# KiCad board FC_V5a_Rev1.kicad_pcb
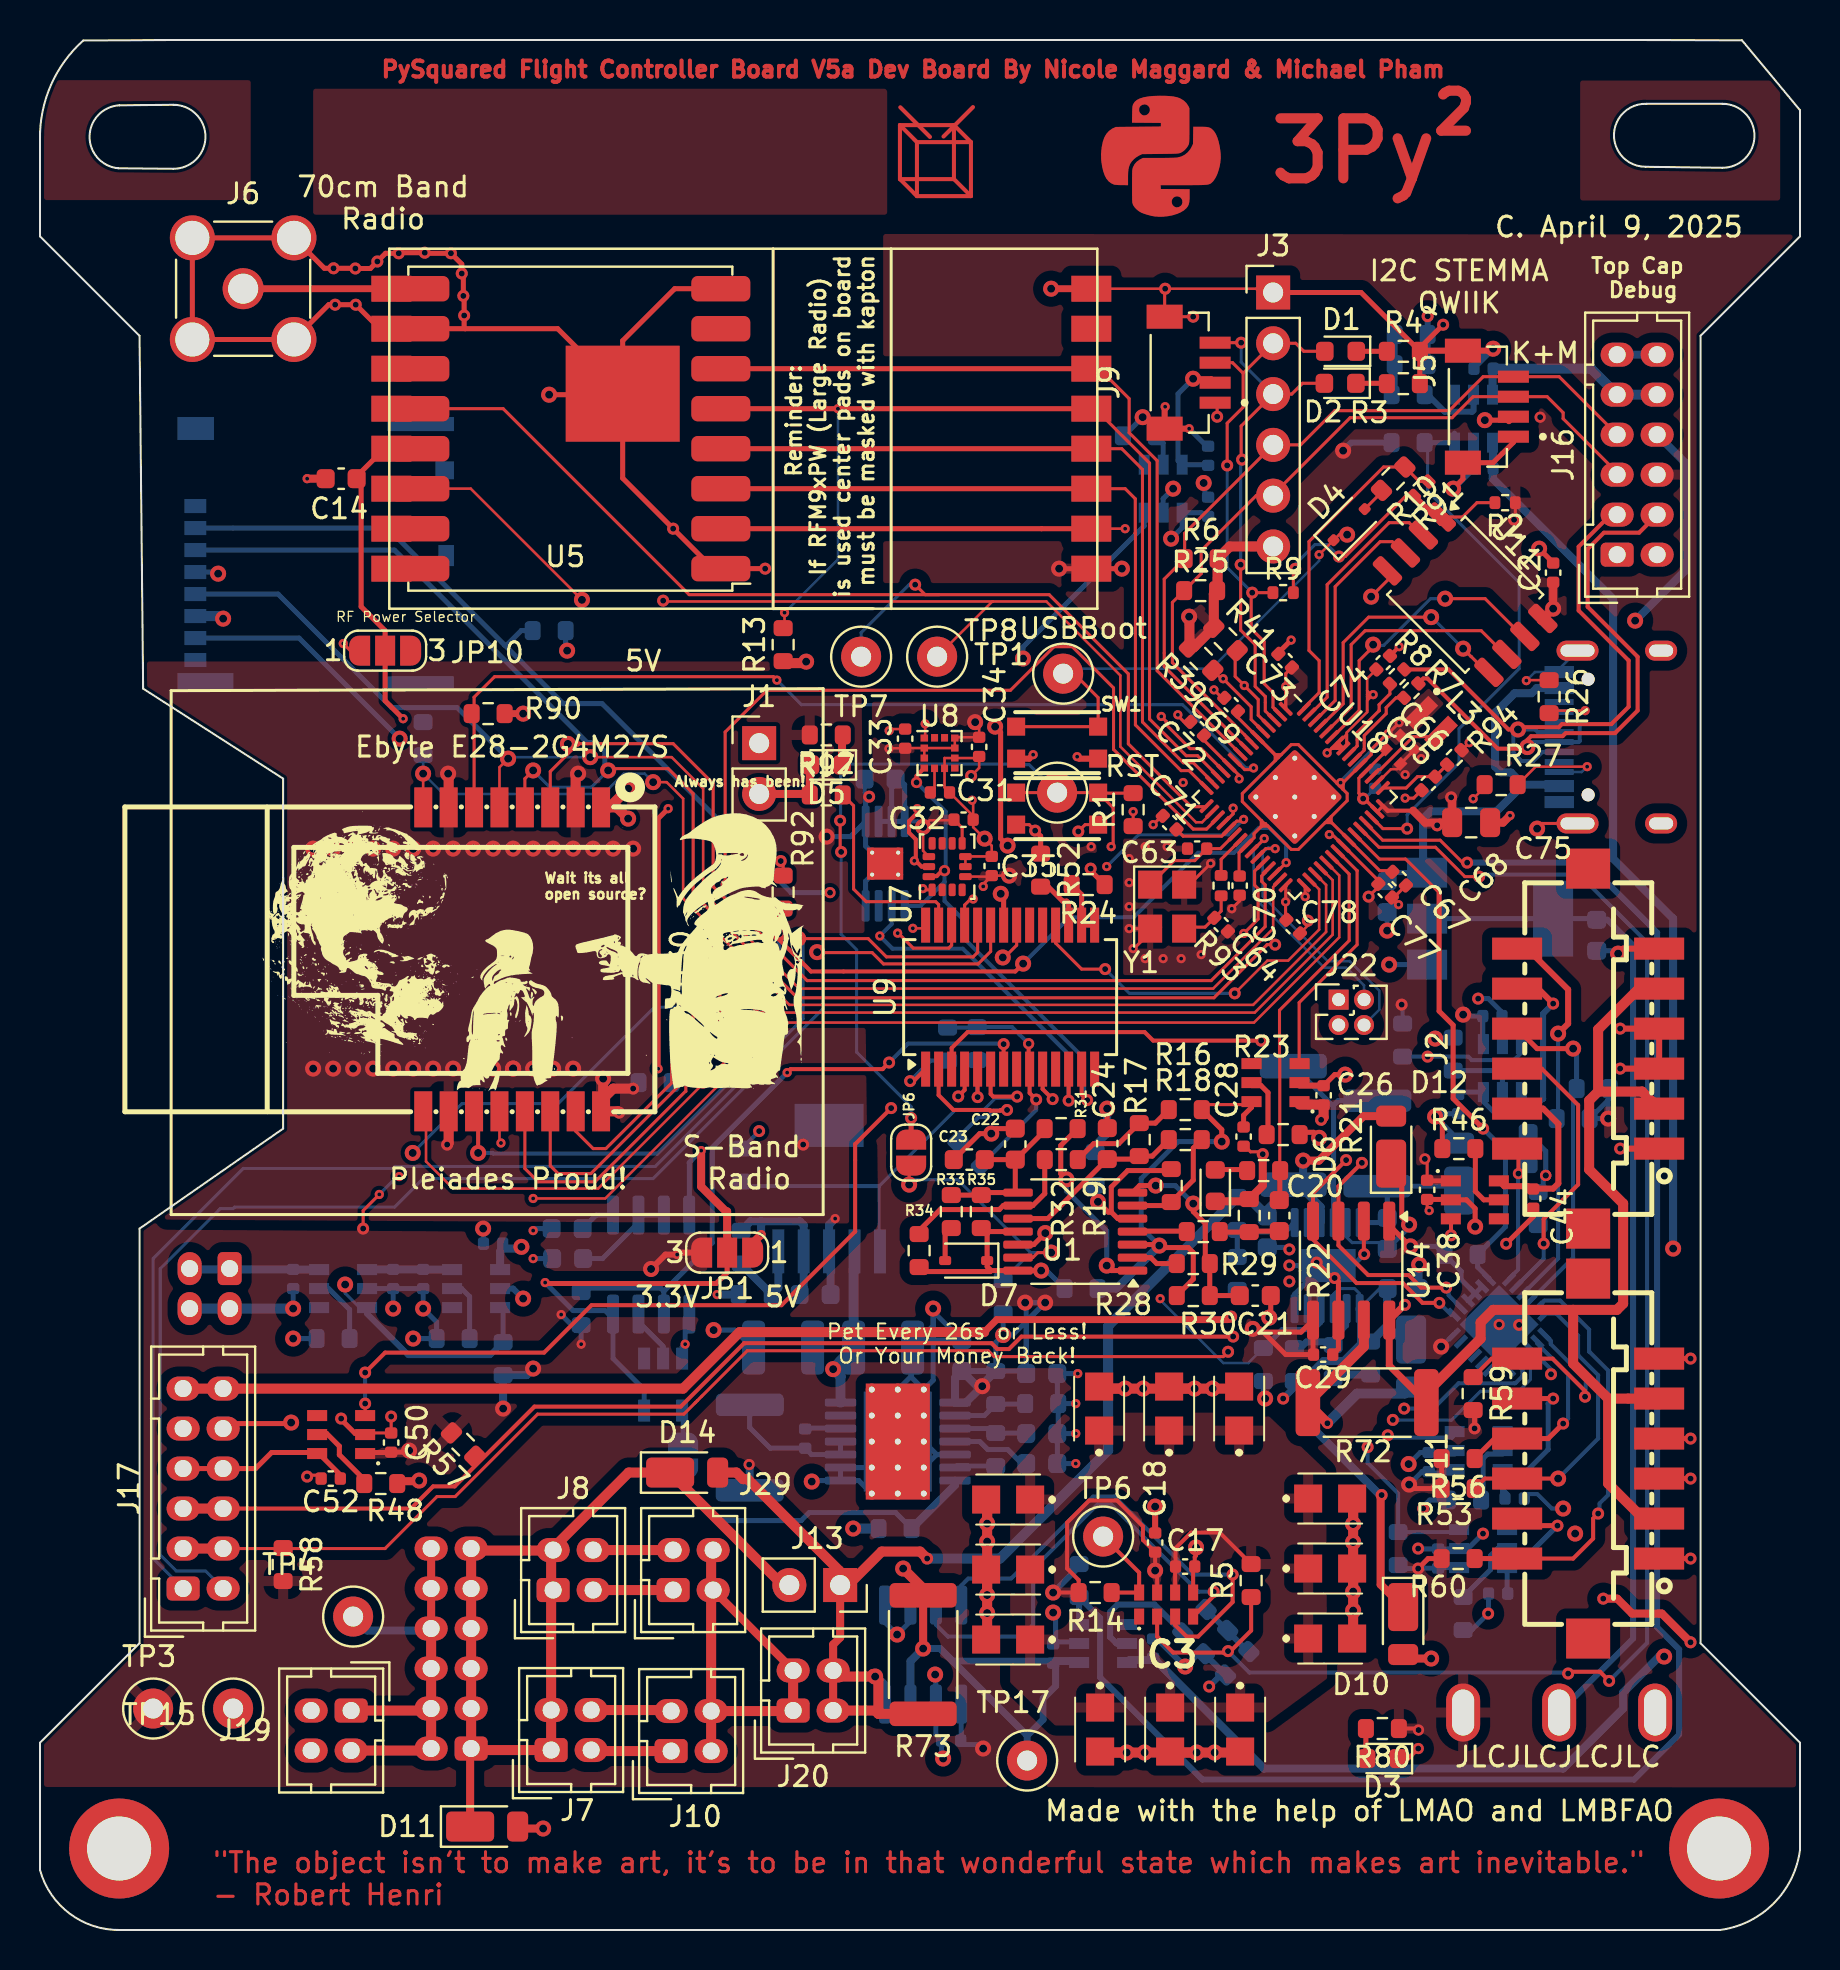
[diagram p0: board, top side]
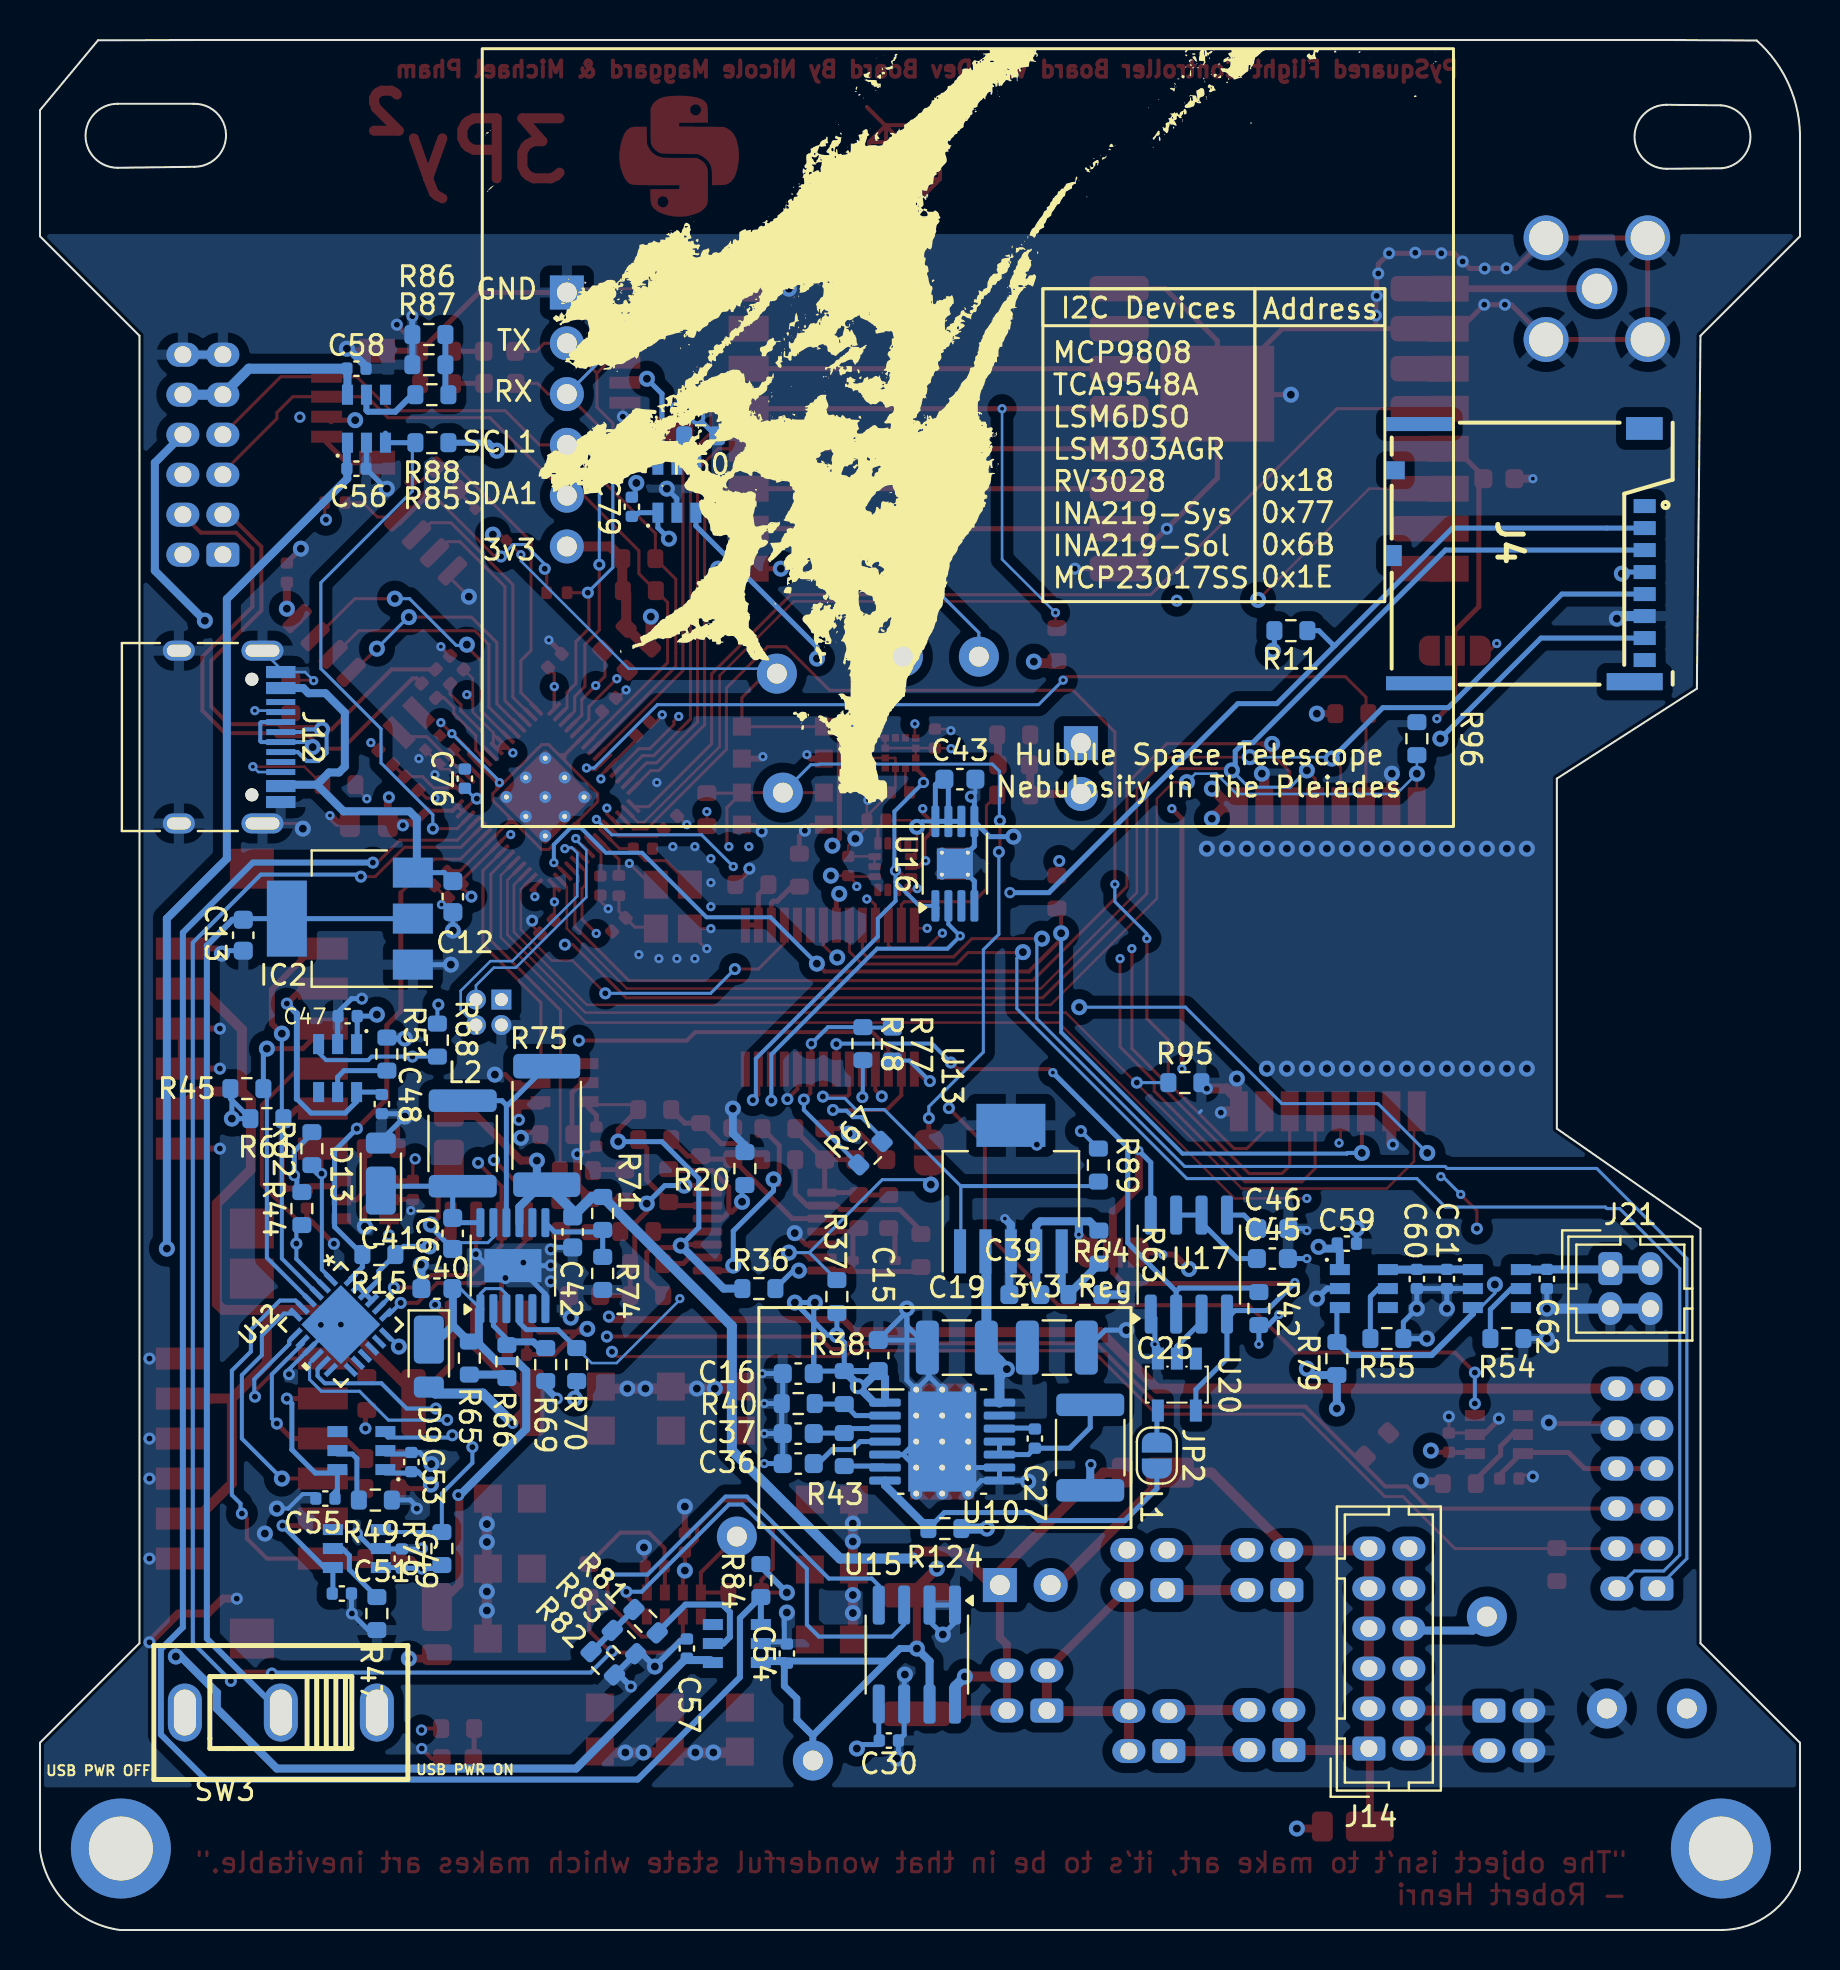
[diagram p1: board, bottom side, seen from below]

Outline 88 x 94.51 mm; copper layers: Top, In1.Cu, In2.Cu, Bottom. Coordinates in mm from the lower left corner of the outline.
Outline path: 0,89.5 arc(0.53,92.23) 2.16,94.49 6.63,94.51 79.66,94.51 85.1,94.5 88,91 88,84.69 83.03,79.72 83.03,14.34 88,9.36 88,4 arc(86.68,1.32) 84,0 4,0 arc(1.49,0.82) 0,3 0,9.36 4.98,14.34 4.98,35.07 12.16,40.07 12.16,57.57 5.16,62.07 4.98,79.72 0,84.69 0,89.5 ; 3.92,88.1 arc(2.48,89.69) 3.97,91.24 6.67,91.27 arc(8.27,89.67) 6.67,88.07 3.92,88.1 ; 80.27,88.17 arc(78.7,89.77) 80.32,91.32 84.12,91.32 arc(85.72,89.72) 84.12,88.12 80.27,88.17
Stack: Top 0.035mm / dielectric 0.2104mm FR4 er 4.5 / In1.Cu 0.0152mm / dielectric 1.065mm FR4 er 4.5 / In2.Cu 0.035mm / dielectric 0.2104mm FR4 er 4.5 / Bottom 0.035mm

## Placement (name value [footprint] x y rotation side)
C2  100n  [C_0402_1005Metric]  75.66 67.87 90 top
C12  10uF  [C_0603_1608Metric]  67.36 51.67 270 bottom
C13  22uF  [C_0603_1608Metric]  77.84 49.74 270 bottom
C14  10uF  [C_0603_1608Metric]  15.06 72.57 0 top
C15  22uF  [C_0603_1608Metric]  46.09 28.72 270 bottom
C16  22uF  [C_0603_1608Metric]  50.09 27.82 180 bottom
C17  100nf  [C_0402_1005Metric]  57.26 18.17 0 top
C18  100nf  [C_0402_1005Metric]  55.76 19.37 90 top
C19  100uF  [C_1210_3225Metric]  42.16 29.12 0 bottom
C20  10uF  [C_0603_1608Metric]  61.96 35.72 270 top
C21  10uF  [C_0603_1608Metric]  60.76 31.72 180 top
C22  10uF  [C_0603_1608Metric]  48.76 39.3 270 top
C23  10uF  [C_0603_1608Metric]  46.46 38.52 0 top
C24  10uF  [C_0603_1608Metric]  53.36 39.32 270 top
C25  100uF  [C_1210_3225Metric]  37.16 29.12 180 bottom
C26  100nf  [C_0402_1005Metric]  64.18 41.74 90 top
C27  100nf  [C_0402_1005Metric]  38.26 24.57 90 bottom
C28  100nf  [C_0402_1005Metric]  60.18 39.67 270 top
C29  100nf  [C_0402_1005Metric]  64.16 28.77 180 top
C30  100nf  [C_0402_1005Metric]  45.56 9.47 0 bottom
C31  220nf  [C_0402_1005Metric]  45 56.88 0 top
C32  100nf  [C_0402_1005Metric]  46.18 55.52 0 top
C33  100nf  [C_0402_1005Metric]  43.26 59.57 90 top
C34  100nf  [C_0402_1005Metric]  46.96 59.16 270 top
C35  100nf  [C_0402_1005Metric]  47.59 53.2 90 top
C36  3.3nF  [C_0603_1608Metric]  50.09 23.32 0 bottom
C37  1uF  [C_0603_1608Metric]  50.09 24.82 0 bottom
C38  100nf  [C_0402_1005Metric]  69.36 37.01 270 top
C39  10uF  [C_0603_1608Metric]  38.76 31.77 180 bottom
C40  10uF  [C_0603_1608Metric]  68.16 32.07 0 bottom
C41  1uF  [C_0603_1608Metric]  67.37 34.83 270 bottom
C42  10uF  [C_0603_1608Metric]  61.37 34.91 270 bottom
C43  1uF  [C_0603_1608Metric]  42.01 57.55 180 bottom
C44  100nf  [C_0402_1005Metric]  74.66 36.57 270 top
C45  1uF  [C_0603_1608Metric]  26.38 33.57 180 bottom
C46  10nF  [C_0603_1608Metric]  26.36 35.07 180 bottom
C47  100nf  [C_0402_1005Metric]  72.62 45.7 0 bottom
C48  100nf  [C_0402_1005Metric]  70.91 41.3 270 bottom
C49  100nf  [C_0402_1005Metric]  69.91 18.57 90 bottom
C50  100nf  [C_0402_1005Metric]  17.56 24.37 90 top
C51  100nf  [C_0402_1005Metric]  72.91 16.82 180 bottom
C52  100nf  [C_0402_1005Metric]  14.54 22.57 180 top
C53  100nf  [C_0402_1005Metric]  69.43 23.4 90 bottom
C54  100nf  [C_0402_1005Metric]  50.66 13.82 90 bottom
C55  100nf  [C_0402_1005Metric]  73.73 21.57 0 bottom
C56  100nf  [C_0402_1005Metric]  72.18 73.07 180 bottom
C57  100nf  [C_0402_1005Metric]  55.66 14.07 90 bottom
C58  100nf  [C_0402_1005Metric]  72.18 78.07 180 bottom
C59  100nf  [C_0402_1005Metric]  22.66 34.32 180 bottom
C60  100nf  [C_0402_1005Metric]  19.16 32.55 270 bottom
C61  100nf  [C_0402_1005Metric]  17.66 32.55 270 bottom
C62  100nf  [C_0402_1005Metric]  12.66 32.55 270 bottom
C63  15p  [C_0402_1005Metric]  57.86 54.07 180 top
C64  15p  [C_0402_1005Metric]  59.06 50.27 315 top
C65  4.7u  [C_0402_1005Metric_small_pads]  67.66 58.67 315 top
C66  4.7u  [C_0402_1005Metric_small_pads]  68.36 59.37 315 top
C67  100n  [C_0402_1005Metric]  67.96 52.57 315 top
C68  4.7u  [C_0402_1005Metric]  69.42 57.34 225 top
C69  4.7u  [C_0402_1005Metric]  59.56 61.27 135 top
C70  100n  [C_0402_1005Metric]  59.98 52.22 270 top
C71  100n  [C_0402_1005Metric]  56.48 55.37 135 top
C72  100n  [C_0402_1005Metric]  57.86 60.07 135 top
C73  100n  [C_0402_1005Metric]  62.26 63.47 135 top
C74  100n  [C_0402_1005Metric]  67.16 63.37 45 top
C75  10u  [C_0805_2012Metric]  71.56 55.37 0 top
C76  100n  [C_0402_1005Metric]  66.76 57.57 90 bottom
C77  100n  [C_0402_1005Metric]  67.26 51.97 315 top
C78  100n  [C_0402_1005Metric]  62.66 50.17 315 top
C79  100nf  [C_0402_1005Metric]  58.41 71.17 90 bottom
C80  100nf  [C_0402_1005Metric]  58.41 73.72 90 bottom
C1017  -  [CPH3225A]  48.71 21.82 180 top
C1018  -  [CPH3225A]  48.71 18.32 180 top
C1019  -  [CPH3225A]  48.71 14.82 180 top
C1020  -  [CPH3225A]  52.71 10.32 270 top
C1021  -  [CPH3225A]  53.26 25.77 90 top
C1022  -  [CPH3225A]  60.26 25.77 90 top
C1023  -  [CPH3225A]  59.71 10.32 270 top
C1024  -  [CPH3225A]  56.21 10.32 270 top
C1025  -  [CPH3225A]  56.76 25.77 90 top
C1026  -  [CPH3225A]  64.21 21.27 0 top
C1027  -  [CPH3225A]  64.21 17.77 0 top
C1028  -  [CPH3225A]  64.21 14.27 0 top
D1  LED  [LED_0603_1608Metric]  65.03 78.94 180 top
D2  LED  [LED_0603_1608Metric]  65.01 77.34 180 top
D3  LED  [LED_0603_1608Metric]  67.12 8.57 180 top
D4  NSR0320  [D_SOD-323F]  65.46 70.27 45 top
D5  LED  [LED_0603_1608Metric]  39.31 58.26 180 top
D6  GREEN  [LED_0603_1608Metric]  58.76 37.22 90 top
D7  1N4151WS  [D_SOD-323]  46.31 33.47 180 top
D9  DFLS130L-7  [D_PowerDI-123]  68.56 28.67 270 bottom
D10  DFLS130L-7  [D_PowerDI-123]  68.16 15.3 270 top
D11  DFLS130L-7  [D_PowerDI-123]  22.36 5.17 0 top
D12  DFLS130L  [D_PowerDI-123]  67.56 39.17 90 top
D13  DFLS130L-7  [D_PowerDI-123]  70.96 37.82 90 bottom
D14  DFLS130L  [D_PowerDI-123]  32.36 22.87 0 top
G***  -  [LOGO]  56.03 88.1 0 top
G***#2  -  [LOGO]  56.03 88.1 0 top
G***#3  -  [LOGO]  23.74 49.37 0 top
G***#4  -  [LOGO]  27.66 89.07 0 top
G***#5  -  [LOGO]  42.96 74.77 180 bottom
H1  MountingHole  [unnamed]  3.96 4.07 0 top
H2  MountingHole  [unnamed]  83.96 4.07 0 top
IC2  AZ1117CH-3.3TRG1  [SOT-223]  72.51 50.57 0 bottom
IC3  RV-3028-C7_32.768kHz_1ppm_TA_QC  [RV3028C7]  56.31 16.27 0 top
IC6  LT3652IMSE#PBF  [MSOP-12-1EP_3x4mm_P0.65mm_EP1.65x2.85mm]  64.36 33.22 90 bottom
J1  Conn_01x02  [PinHeader_1x02_P2.54mm_Vertical]  35.96 59.35 0 top
J2  DF11CZ-12DP-2V(27)  [CONN-SMD_12P-P2.00_DF11CZ-12DP]  77.41 44.07 90 top
J3  Life Makes Lemonade  [PinHeader_1x06_P2.54mm_Vertical]  61.66 81.88 0 top
J4  Molex 503398-1892  [503398-1892-1]  6.37 75.37 270 bottom
J5  BM04B-SRSS-TB(LF)(SN)  [JST_BM04B-SRSS-TB(LF)(SN)]  71.14 76.17 90 top
J6  Conn_Coaxial  [SMA_Amphenol_901-144_Vertical]  10.16 82.07 0 top
J7  INHIBIT_P1  [Hirose_DF11-4DP-2DSA_2x02_P2.00mm_Vertical]  25.56 9 90 top
J8  INHIBIT_S1  [Hirose_DF11-4DP-2DSA_2x02_P2.00mm_Vertical]  25.66 17 90 top
J9  BM04B-SRSS-TB(LF)(SN)  [JST_BM04B-SRSS-TB(LF)(SN)]  56.23 77.87 90 top
J10  INHIBIT_P2  [Hirose_DF11-4DP-2DSA_2x02_P2.00mm_Vertical]  31.56 8.95 90 top
J11  DF11CZ-12DP-2V(27)  [CONN-SMD_12P-P2.00_DF11CZ-12DP]  77.41 23.57 90 top
J12  USB_C_Receptacle_USB2.0_16P  [USB_C_Receptacle_HRO_TYPE-C-31-M-12]  80.01 59.65 270 bottom
J13  Bypass  [PinSocket_1x02_P2.54mm_Vertical]  40.01 17.25 270 top
J14  Battery Input  [Hirose_DF11-12DP-2DSA_2x06_P2.00mm_Vertical]  21.56 9.07 90 bottom
J16  DEBUG  [Hirose_DF11-12DP-2DSA_2x06_P2.00mm_Vertical]  78.86 68.77 90 top
J17  Face4 (Z- Face)  [Hirose_DF11-12DP-2DSA_2x06_P2.00mm_Vertical]  7.16 17.07 90 top
J19  ISS_INHIBIT  [Hirose_DF11-4DP-2DSA_2x02_P2.00mm_Vertical]  15.56 10.97 270 top
J20  RBF_Inhibit  [Hirose_DF11-4DP-2DSA_2x02_P2.00mm_Vertical]  37.66 10.97 90 top
J21  Heater Output  [Hirose_DF11-4DP-2DSA_2x02_P2.00mm_Vertical]  9.48 33.07 180 bottom
J22  SWD Port  [PinHeader_2x02_P1.27mm_Vertical]  64.93 46.52 0 top
J29  INHIBIT_S2  [Hirose_DF11-4DP-2DSA_2x02_P2.00mm_Vertical]  31.66 17 90 top
JP1  Jumper_3_Bridged12  [SolderJumper-3_P1.3mm_Open_RoundedPad1.0x1.5mm_NumberLabels]  34.36 33.87 180 top
JP2  SolderJumper_2_Open  [SolderJumper-2_P1.3mm_Open_RoundedPad1.0x1.5mm]  32.16 23.72 270 bottom
JP6  SolderJumper_2_Open  [SolderJumper-2_P1.3mm_Open_RoundedPad1.0x1.5mm]  43.56 38.87 90 top
JP10  Jumper_3_Open  [SolderJumper-3_P1.3mm_Open_RoundedPad1.0x1.5mm_NumberLabels]  17.26 63.97 0 top
L1  3.3uH  [L_1812_4532Metric]  35.49 24.12 270 bottom
L2  10uH  [L_1812_4532Metric]  66.87 39.33 90 bottom
L3  3.3u  [L_pol_2016]  69.56 60.37 315 top
R1  10k  [R_0603_1608Metric]  54.66 56.02 90 top
R2  10k  [R_0402_1005Metric]  73.26 71.37 180 top
R3  1k  [R_0603_1608Metric]  68.17 77.32 0 top
R4  1k  [R_0603_1608Metric]  68.17 78.94 0 top
R5  10k  [R_0603_1608Metric]  60.56 17.47 90 top
R6  10k  [R_0603_1608Metric]  58.06 68.57 0 top
R7  22  [R_0402_1005Metric]  68.56 61.97 45 top
R8  22  [R_0402_1005Metric]  67.86 62.67 45 top
R9  DNF  [R_0402_1005Metric]  62.16 66.87 0 top
R10  1k  [R_0603_1608Metric]  67.66 72.57 225 top
R11  10k  [R_0603_1608Metric]  25.46 64.97 0 bottom
R12  1k  [R_0603_1608Metric]  39.31 59.76 180 top
R13  10k  [R_0603_1608Metric]  37.16 64.27 90 top
R14  10k  [R_0603_1608Metric]  52.76 16.87 180 top
R15  10K  [R_0603_1608Metric]  71.06 33.77 0 bottom
R16  10k  [R_0603_1608Metric]  57.26 41.02 180 top
R17  10k  [R_0603_1608Metric]  54.96 39.52 270 top
R18  10k  [R_0603_1608Metric]  57.26 39.52 0 top
R19  3.0k  [R_0603_1608Metric]  56.56 37.22 90 top
R20  3.0k  [R_0603_1608Metric]  52.76 38.07 90 bottom
R21  3.0k  [R_0603_1608Metric]  61.18 37.97 180 top
R22  10k  [R_0603_1608Metric]  60.46 35.72 90 top
R23  47k  [R_0603_1608Metric]  62.16 39.77 180 top
R24  10k  [R_0603_1608Metric]  52.41 52.27 180 top
R25  10k  [R_0603_1608Metric]  58.03 66.97 0 top
R26  5.1k  [R_0603_1608Metric]  75.46 61.67 270 top
R27  5.1k  [R_0603_1608Metric]  73.06 57.27 0 top
R28  10k  [R_0603_1608Metric]  58.16 34.92 180 top
R29  1k  [R_0603_1608Metric]  57.66 33.32 0 top
R30  100k  [R_0603_1608Metric]  57.66 31.72 0 top
R31  1k  [R_0603_1608Metric]  51.06 40.07 180 top
R32  100k  [R_0603_1608Metric]  51.06 38.52 0 top
R33  100k  [R_0603_1608Metric]  45.56 35.92 90 top
R34  100k  [R_0603_1608Metric]  43.96 33.97 270 top
R35  4.7M  [R_0603_1608Metric]  47.06 35.92 90 top
R36  100k  [R_0603_1608Metric]  52.06 32.07 0 bottom
R37  100k  [R_0603_1608Metric]  48.16 31.67 270 bottom
R38  73.2K  [R_0603_1608Metric]  47.79 27.12 90 bottom
R39  10k  [R_0603_1608Metric]  58.06 63.57 135 top
R40  22.1K  [R_0603_1608Metric]  50.09 26.32 180 bottom
R41  10k  [R_0603_1608Metric]  59.27 64.56 135 top
R42  10k  [R_0603_1608Metric]  27.06 31.07 270 bottom
R43  100K  [R_0603_1608Metric]  47.79 24.02 90 bottom
R44  10k  [R_0603_1608Metric]  74.91 36.07 90 bottom
R45  10k  [R_0603_1608Metric]  77.66 42.07 0 bottom
R46  47k  [R_0603_1608Metric]  70.94 39.07 0 top
R47  47k  [R_0603_1608Metric]  71.16 15.82 90 bottom
R48  47k  [R_0603_1608Metric]  17.04 22.32 180 top
R49  47k  [R_0603_1608Metric]  71.23 21.5 0 bottom
R50  47k  [R_0603_1608Metric]  54.97 74.72 0 bottom
R51  47k  [R_0603_1608Metric]  70.66 43.8 270 bottom
R52  10k  [R_0603_1608Metric]  50.03 53 270 top
R53  10k  [R_0603_1608Metric]  70.91 22.07 180 top
R54  47k  [R_0603_1608Metric]  14.66 29.57 0 bottom
R55  47k  [R_0603_1608Metric]  20.66 29.57 0 bottom
R56  10k  [R_0603_1608Metric]  70.91 23.57 180 top
R57  10k  [R_0603_1608Metric]  21.16 24.27 135 top
R58  10k  [R_0603_1608Metric]  12.16 18.27 270 top
R59  10k  [R_0603_1608Metric]  71.66 26.82 270 top
R60  10k  [R_0603_1608Metric]  70.91 18.57 180 top
R61  10k  [R_0603_1608Metric]  76.66 40.57 0 bottom
R62  10k  [R_0603_1608Metric]  74.41 39.07 90 bottom
R63  10K  [R_0603_1608Metric]  35.06 34.15 270 bottom
R64  3.3K  [R_0603_1608Metric]  35.76 31.77 180 bottom
R65  100K  [R_0603_1608Metric]  66.53 28.6 270 bottom
R66  100k  [R_0603_1608Metric]  64.66 28.42 90 bottom
R67  100k  [R_0603_1608Metric]  46.48 38.85 135 bottom
R68  100k  [R_0603_1608Metric]  68.13 44.5 270 bottom
R69  94k  [R_0603_1608Metric]  62.72 28.27 90 bottom
R70  10K  [R_0603_1608Metric]  61.17 28.27 90 bottom
R71  634k  [R_0603_1608Metric]  59.87 35.83 90 bottom
R72  0.002  [R_2512_6332Metric]  66.36 26.37 0 top
R73  0.002  [R_2512_6332Metric]  44.16 13.77 270 top
R74  412k  [R_0603_1608Metric]  59.87 32.83 90 bottom
R75  0.1  [R_2512_6332Metric]  62.67 40.23 90 bottom
R76  100k  [R_0603_1608Metric]  67.91 19.07 90 bottom
R77  100k  [R_0603_1608Metric]  45.38 44.3 270 bottom
R78  100k  [R_0603_1608Metric]  46.86 44.32 270 bottom
R79  100k  [R_0603_1608Metric]  23.16 28.57 90 bottom
R80  100k  [R_0603_1608Metric]  67.12 10.07 180 top
R81  10k  [R_0603_1608Metric]  57.72 15.44 45 bottom
R82  10k  [R_0603_1608Metric]  59.86 13.34 45 bottom
R83  10k  [R_0603_1608Metric]  58.8 14.4 45 bottom
R84  10k  [R_0603_1608Metric]  51.96 17.47 90 bottom
R85  10k  [R_0603_1608Metric]  68.41 74.37 180 bottom
R86  10k  [R_0603_1608Metric]  68.56 79.78 180 bottom
R87  10k  [R_0603_1608Metric]  68.56 78.27 180 bottom
R88  10k  [R_0603_1608Metric]  68.41 76.77 180 bottom
R89  10K  [R_0603_1608Metric]  35.08 38.25 270 bottom
R90  10k  [R_0603_1608Metric]  22.41 60.82 0 top
R91  0  [R_0402_1005Metric]  69.06 72.07 225 top
R92  100k  [R_0603_1608Metric]  37.16 51.9 270 top
R93  1k  [R_0402_1005Metric]  59.06 52.22 270 top
R94  33  [R_0402_1005Metric]  70.72 58.64 225 top
R95  100k  [R_0603_1608Metric]  30.76 42.37 180 bottom
R96  100k  [R_0603_1608Metric]  19.16 59.57 90 bottom
R97  100k  [R_0603_1608Metric]  39.31 56.76 0 top
R124  10k  [R_0603_1608Metric]  42.76 20.07 0 bottom
SW1  KMR2  [BTN_KMR2_4.6X2.8]  50.86 59.37 0 top
SW2  KMR2  [BTN_KMR2_4.6X2.8]  50.86 56.07 0 top
SW3  SW_Push_SPDT  [SW-TH_SHOU-HAN_SS12D10G4]  75.96 10.87 0 bottom
TP1  USBBOOT  [TestPoint_Loop_D1.80mm_Drill1.0mm_Beaded]  51.16 62.82 0 top
TP2  RESET  [TestPoint_Loop_D1.80mm_Drill1.0mm_Beaded]  50.86 56.87 0 top
TP3  TestPoint  [TestPoint_Loop_D1.80mm_Drill1.0mm_Beaded]  5.66 11.07 0 top
TP4  TestPoint  [TestPoint_Loop_D1.80mm_Drill1.0mm_Beaded]  15.66 15.67 0 top
TP6  RESET  [TestPoint_Loop_D1.80mm_Drill1.0mm_Beaded]  53.16 19.67 0 top
TP7  RESET  [TestPoint_Loop_D1.80mm_Drill1.0mm_Beaded]  41.06 63.67 0 top
TP8  RESET  [TestPoint_Loop_D1.80mm_Drill1.0mm_Beaded]  44.86 63.67 0 top
TP15  TestPoint  [TestPoint_Loop_D1.80mm_Drill1.0mm_Beaded]  9.66 11.07 0 top
TP17  TestPoint  [TestPoint_Loop_D1.80mm_Drill1.0mm_Beaded]  49.36 8.47 0 top
U1  TLV1704  [TSSOP-14_4.4x5mm_P0.65mm]  51.76 34.92 180 top
U3  AP22652  [SOT26]  61.78 42.37 90 top
U4  -  [RFM98PW]  35.17 74.57 180 top
U5  RFM9xBreakout  [HOPERF_RFM9XW_SMD]  26.52 75.07 180 top
U7  LSM6DSOTR  [LGA-14_3x2.5mm_P0.5mm_LayoutBorder3x4y]  45.36 53.17 90 top
U8  LSM303AGRTR  [LGA-12_2x2mm_P0.5mm]  44.98 58.85 0 top
U9  MCP23017_SS  [SSOP-28_5.3x10.2mm_P0.65mm]  48.51 46.65 90 top
U10  TPS54226PWPRPWP14_2P31X2P46-L  [HTSSOP-14-1EP_4.4x5mm_P0.65mm_EP3.4x5mm_Mask3x3.1mm_ThermalVias]  42.89 24.42 180 bottom
U11  W25Q128JVS  [SOIC-8_5.3x5.3mm_P1.27mm]  71.26 66.77 315 top
U12  TCA9548ARGERQ1  [QFN_GERQ1_TEX]  72.96 30.27 225 bottom
U13  TPS7A4501DCQT  [SOT-223-6]  39.46 37.07 90 bottom
U14  INA219AxD  [SOIC-8_3.9x4.9mm_P1.27mm]  65.56 32.97 270 top
U15  INA219AxD  [SOIC-8_3.9x4.9mm_P1.27mm]  44.16 13.77 270 bottom
U16  MCP9808T-E/MS  [MSOP-8-1EP_3x3mm_P0.65mm_EP1.5x1.8mm_ThermalVias]  42.26 53.32 90 bottom
U17  LMC555CMX/NOPB  [SOIC-8_3.9x4.9mm_P1.27mm]  30.56 33.27 90 bottom
U18  RP2350_60QFN  [RP2350-QFN-60-1EP_7x7_P0.4mm_EP3.4x3.4mm_ThermalVias]  62.74 56.66 315 top
U19  AP22652  [SOT26]  71.74 36.51 270 top
U20  74LVC1G04  [SOT-23-5_L3.0-W1.7-P0.95-LS2.8-BR]  31.16 27.27 90 bottom
U21  AP22652  [SOT26]  73.12 43.1 0 bottom
U22  AP22652  [SOT26]  72.16 19.07 90 bottom
U23  AP22652  [SOT26]  15.06 24.77 90 top
U24  AP22652  [SOT26]  71.93 23.97 90 bottom
U25  AP22652  [SOT26]  53.16 14.32 90 bottom
U26  AP22652  [SOT26]  71.68 75.57 180 bottom
U27  AP22652  [SOT26]  21.81 32.07 270 bottom
U28  AP22652  [SOT26]  15.16 32.07 270 bottom
U29  AP22652  [SOT26]  56.16 72.07 180 bottom
U30  E28-2G4M27S  [WIRELM-SMD_E28-2G4M2XS]  23.6 48.54 270 top
Y1  ABM8-272-T3  [Crystal_SMD_3225-4Pin_3.2x2.5mm]  56.36 51.17 270 top
